# KiCad board microdrive_pcb.kicad_pcb
title: Sinclari QL Recreated; date: 2024-12-21; rev: 0; company: by Alvaro Alea in 2024; note: Bassed on Issue 6
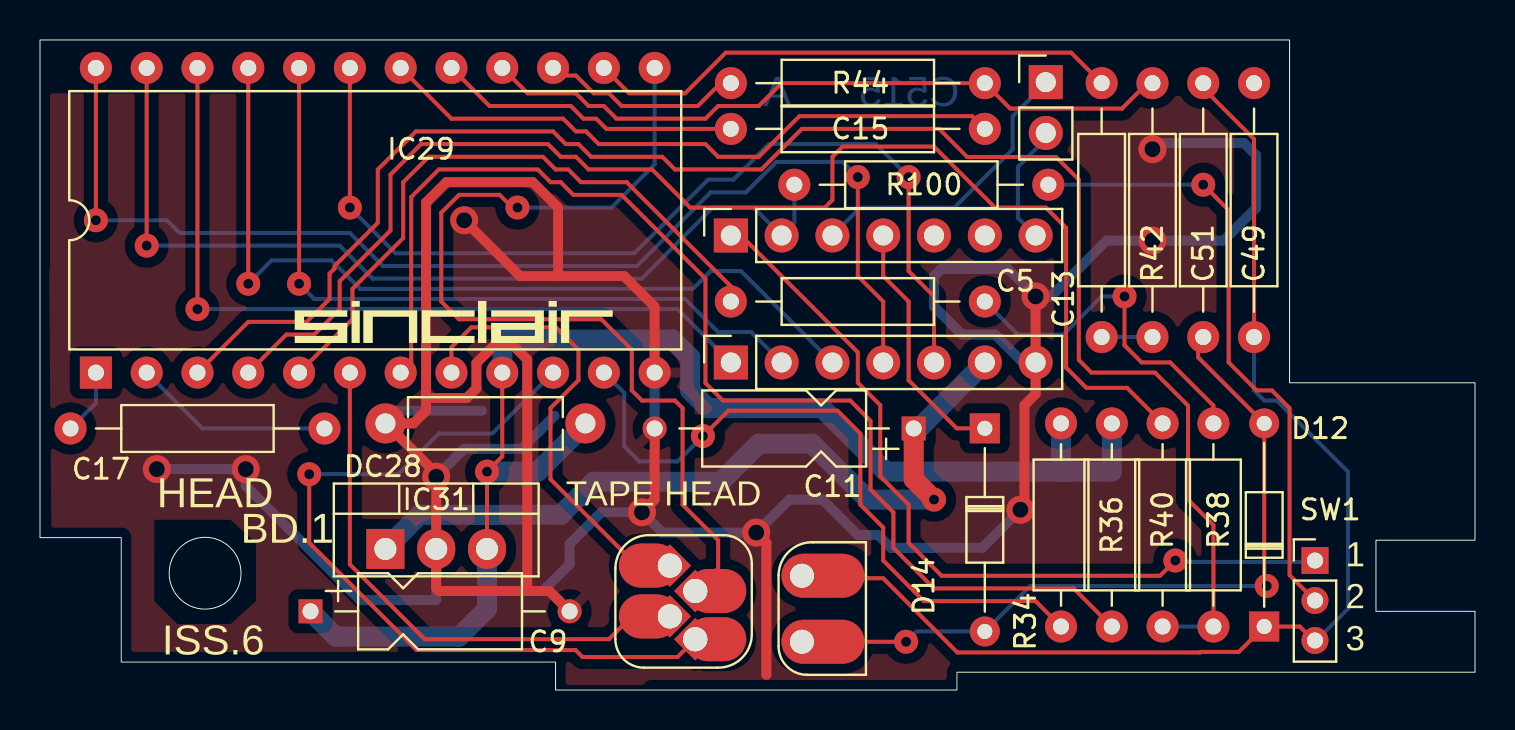
[diagram p0: board, top side]
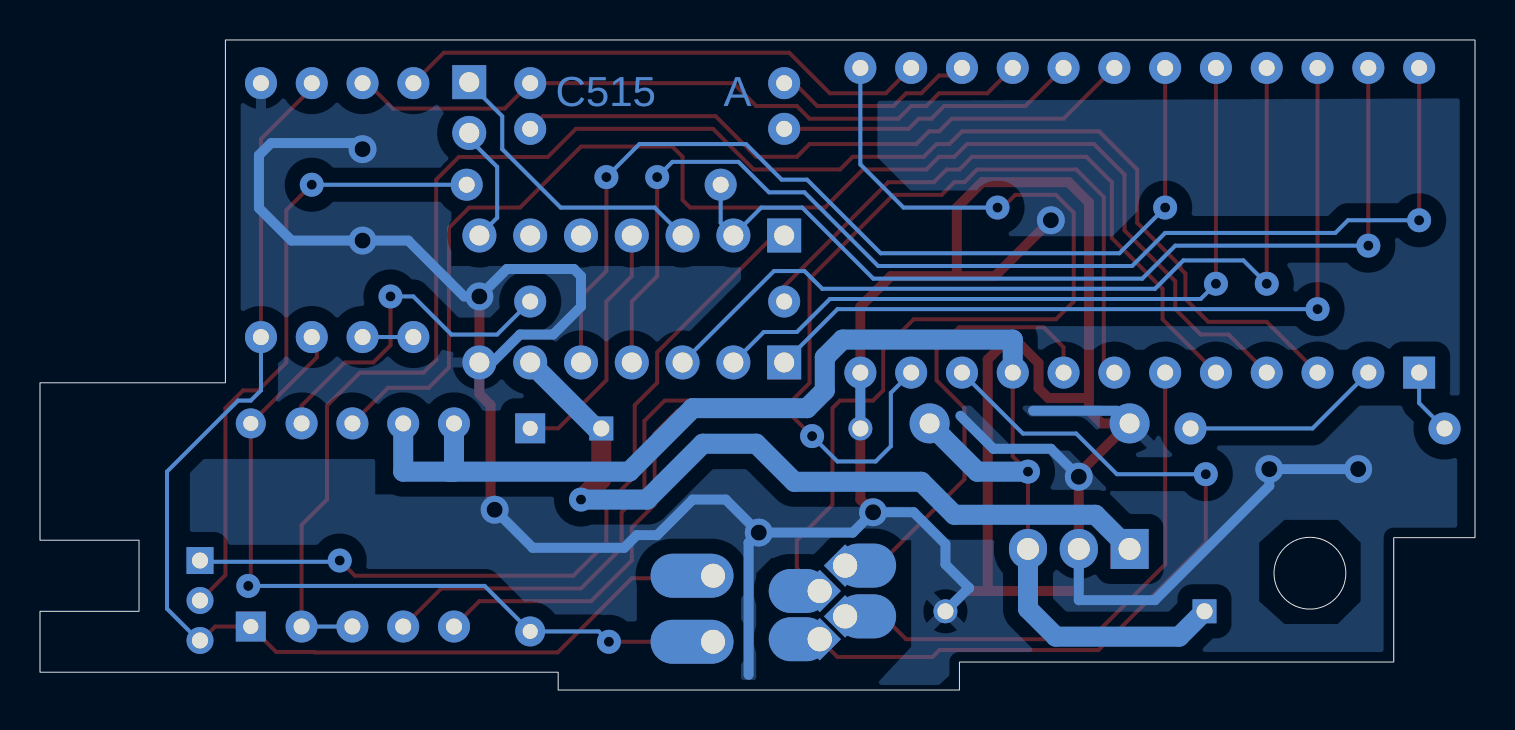
[diagram p1: board, bottom side, seen from below]

Outline 71.76 x 32.51 mm; copper layers: Top, Bottom. Coordinates in mm from the lower left corner of the outline.
Outline path: 0,32.51 62.48,32.51 62.48,15.37 71.76,15.37 71.76,7.49 66.8,7.49 66.8,3.94 71.76,3.94 71.76,0.89 45.85,0.89 45.85,0 25.78,0 25.78,1.4 4.06,1.4 4.06,7.62 0,7.62 closed ; circle c8.26,5.84 r1.8
Stack: Top 0.035mm / dielectric 1.51mm FR4 er 4.5 / Bottom 0.035mm

## Placement (name value [footprint] x y rotation side)
C5  330p  [C_Disc_D7.5mm_W2.5mm_P12.17mm_W]  47.24 19.43 180 top
C9  0,47u/35V  [CP_Axial_L9.0mm_D3.8mm_P12.95mm_Horizontal]  13.53 3.94 0 top
C11  0,22u/35V  [CP_Axial_L9.0mm_D3.8mm_P12.95mm_Horizontal]  43.69 13.08 180 top
C13  330p  [C_Disc_D7.5mm_W2.5mm_P12.17mm_W]  53.09 17.65 90 top
C15  220p  [C_Disc_D7.5mm_W2.5mm_P12.17mm_W]  34.54 28.07 0 top
C17  220p  [C_Disc_D7.5mm_W2.5mm_P12.17mm_W]  1.52 13.08 0 top
C49  47n  [C_Disc_D7.5mm_W2.5mm_P12.17mm_W]  60.71 17.65 90 top
C51  47n  [C_Disc_D7.5mm_W2.5mm_P12.17mm_W]  58.17 17.65 90 top
D12  1N4148  [D_DO-34_SOD68_P10.16mm_Horizontal]  61.21 3.18 90 top
D14  1N4148  [D_DO-34_SOD68_P10.16mm_Horizontal]  47.24 13.09 270 top
DC28  100n  [C_Disc_D7.5mm_W5.0mm_P10.00mm]  27.27 13.34 180 top
IC29  2G007  [DIP-24_W15.24mm]  2.79 15.88 90 top
IC31  LM7805_TO220  [TO-220-3_Vertical]  17.27 7.06 0 top
J101  Conn_01x07  [PinSocket_1x07_P2.54mm_Vertical]  34.54 22.73 90 top
J102  Conn_01x07  [PinSocket_1x07_P2.54mm_Vertical]  34.54 16.38 90 top
L2  L  [Magnetic-head-2-coil]  31.5 6.22 0 top
L6  L  [Magnetic-head-1-coil]  38.1 5.72 0 top
M2  Motor_DC  [PinHeader_1x02_P2.54mm_Vertical]  50.29 30.4 0 top
R34  330  [R_Axial_DIN0207_L6.3mm_D2.5mm_P10.16mm_Horizontal]  51.05 3.18 90 top
R36  330  [R_Axial_DIN0207_L6.3mm_D2.5mm_P10.16mm_Horizontal]  53.59 3.18 90 top
R38  4K7  [R_Axial_DIN0207_L6.3mm_D2.5mm_P10.16mm_Horizontal]  58.67 13.34 270 top
R40  4K7  [R_Axial_DIN0207_L6.3mm_D2.5mm_P10.16mm_Horizontal]  56.13 13.34 270 top
R42  4K7  [R_Axial_DIN0207_L6.3mm_D2.5mm_P12.7mm_Horizontal_W]  55.63 17.65 90 top
R44  4K7  [R_Axial_DIN0207_L6.3mm_D2.5mm_P12.7mm_Horizontal_W]  47.24 30.35 180 top
R100  2K2  [R_Axial_DIN0207_L6.3mm_D2.5mm_P12.7mm_Horizontal_W]  50.42 25.27 180 top
SW1  SW_SPDT  [PinHeader_1x03_P2.00mm_Vertical]  63.75 6.48 0 top

## Library data of the parts
C5 C13 C15 C17 C49 C51 = -: Description: Unpolarized capacitor; ki_fp_filters: C_*
C9 C11 = -: Description: Polarized capacitor; ki_fp_filters: CP_*
D12 D14 = -: Description: Diode; Sim.Device: D; Sim.Pins: 1=K 2=A; ki_fp_filters: TO-???* *_Diode_* *SingleDiode* D_*
DC28 = -: Description: Unpolarized capacitor
IC29 = -: Description: Sinclair custom Microdrive Chip (ULA) for Sinclair QL Computer; ki_fp_filters: Package_DIP:DIP-40_W15.24mm*
IC31 = -: Datasheet: https://www.onsemi.cn/PowerSolutions/document/MC7800-D.PDF; Description: Positive 1A 35V Linear Regulator, Fixed Output 5V, TO-220; ki_fp_filters: TO?220*
J101 J102 = -: Description: Generic connector, single row, 01x07, script generated (kicad-library-utils/schlib/autogen/connector/); ki_fp_filters: Connector*:*_1x??_*
L2 L6 = -: Description: Inductor; ki_fp_filters: Choke_* *Coil* Inductor_* L_*
M2 = -: Description: DC Motor; ki_fp_filters: PinHeader*P2.54mm* TerminalBlock*
R34 R36 R38 R40 R42 R44 R100 = -: Description: Resistor; ki_fp_filters: R_*
SW1 = -: Description: Switch, single pole double throw

## Footprints (pads in the part's own frame, mm; a bottom-side part is the same pattern mirrored in y, then rotated)
C_Disc_D7.5mm_W2.5mm_P12.17mm_W
  round 1.6 hole 0.8: 1(0,0)
  oval 1.6x1.6 hole 0.8: 2(12.7,0)
C_Disc_D7.5mm_W5.0mm_P10.00mm
  round 2 hole 1: 1(0,0) 2(10,0)
CP_Axial_L9.0mm_D3.8mm_P12.95mm_Horizontal
  rect 1.2x1.2 hole 0.8: 1(0,0)
  round 1.2 hole 0.8: 2(12.954,0)
D_DO-34_SOD68_P10.16mm_Horizontal
  rect 1.5x1.5 hole 0.75: 1(0,0)
  oval 1.5x1.5 hole 0.75: 2(10.16,0)
DIP-24_W15.24mm
  rect 1.6x1.6 hole 0.8: 1(0,0)
  oval 1.6x1.6 hole 0.8: 2(0,-2.54) 3(0,-5.08) 4(0,-7.62) 5(0,-10.16) 6(0,-12.7) 7(0,-15.24) 8(0,-17.78) 9(0,-20.32) 10(0,-22.86) 11(0,-25.4) 12(0,-27.94) 13(15.24,-27.94) 14(15.24,-25.4) 15(15.24,-22.86) 16(15.24,-20.32) 17(15.24,-17.78) 18(15.24,-15.24) 19(15.24,-12.7) 20(15.24,-10.16) 21(15.24,-7.62) 22(15.24,-5.08) 23(15.24,-2.54) 24(15.24,0)
Magnetic-head-1-coil
  rrect 4.15x2.2 hole 1.2: 1(0,0) 2(0,-3.302)
Magnetic-head-2-coil
  rect 1.5x1.5 hole 1.2 rot 45: 1(0,0) 2(1.27,-1.27) 3(0,-2.54) 4(1.27,-3.683)
  rrect 3x2.2 hole 1.2: 1(0,0) 2(1.27,-1.27) 3(0,-2.54) 4(1.27,-3.683)
PinHeader_1x02_P2.54mm_Vertical
  rect 1.7x1.7 hole 1: 1(0,0)
  oval 1.7x1.7 hole 1: 2(0,-2.54)
PinHeader_1x03_P2.00mm_Vertical
  rect 1.35x1.35 hole 0.8: 1(0,0)
  oval 1.35x1.35 hole 0.8: 2(0,-2) 3(0,-4)
PinSocket_1x07_P2.54mm_Vertical
  rect 1.7x1.7 hole 1: 1(0,0)
  oval 1.7x1.7 hole 1: 2(0,-2.54) 3(0,-5.08) 4(0,-7.62) 5(0,-10.16) 6(0,-12.7) 7(0,-15.24)
R_Axial_DIN0207_L6.3mm_D2.5mm_P10.16mm_Horizontal
  round 1.6 hole 0.8: 1(0,0)
  oval 1.6x1.6 hole 0.8: 2(10.16,0)
R_Axial_DIN0207_L6.3mm_D2.5mm_P12.7mm_Horizontal_W
  round 1.6 hole 0.8: 1(0,0)
  oval 1.6x1.6 hole 0.8: 2(12.7,0)
TO-220-3_Vertical
  rect 1.905x2 hole 1.1: 1(0,0)
  oval 1.905x2 hole 1.1: 2(2.54,0) 3(5.08,0)

## Nets
/+VIN1: C11.1 IC31.1 J102.6
GND1: C9.2 C11.2 C49.2 DC28.2 IC29.12 IC31.2 J102.7
Net-(C5-Pad1): C5.1 R38.1
Net-(C13-Pad1): C13.1 R42.1
Net-(D12-A): C51.1 D12.2 D14.2 L6.2
Net-(D12-K): C49.1 C51.2 D12.1 L6.1 SW1.3
Net-(D14-K): D14.1 J101.4
Net-(IC29-C1): C15.1 IC29.17
Net-(IC29-C2): C15.2 IC29.18
Net-(IC29-C3): C17.1 IC29.1
Net-(IC29-C4): C17.2 IC29.2
Net-(IC29-CLK): IC29.21 J102.3
Net-(IC29-COMMS_IN): IC29.22 J102.1
Net-(IC29-COMMS_OUT): IC29.20 J102.2
Net-(IC29-DATA_1): IC29.24 J102.4
Net-(IC29-DATA_2): IC29.19 J102.5
Net-(IC29-IN_A1): IC29.8 L2.1
Net-(IC29-IN_A2): IC29.13 L2.2
Net-(IC29-IN_B1): IC29.6 L2.3
Net-(IC29-IN_B2): IC29.10 L2.4
Net-(IC29-R1): IC29.11 R34.1
Net-(IC29-R2): IC29.7 R36.1
Net-(IC29-RC1): IC29.3 R38.2 R40.2
Net-(IC29-RC2): C5.2 IC29.5
Net-(IC29-RC3): IC29.4 R40.1
Net-(IC29-RC4): C13.2 IC29.14
Net-(IC29-RC5): IC29.16 R42.2 R44.1
Net-(IC29-RC6): IC29.15 R44.2
Net-(IC29-READ/WRITE): IC29.23 J101.2 R100.2
Net-(IC29-VCC): C9.1 DC28.1 IC29.9 IC31.3 R34.2 R36.2
Net-(J101-Pin_1): J101.1 SW1.1
Net-(J101-Pin_3): J101.3 M2.1
Net-(J101-Pin_7): J101.7 M2.2
Net-(SW1-A): R100.1 SW1.2

Pads without a net: J101 5 6

## Via types
v1: diameter 1.2, hole 0.5, Top to Bottom, 18 vias
v2: diameter 1.4, hole 0.8, Top to Bottom, 10 vias

## Routing (per net, layer and track width the routed paths; a pad name or vN(x,y) marks a point on that pad's centre or on a via; arc(x,y) is an arc through that point)
/+VIN1: length 39.7
  Top w1: C11.1 43.69,10.54 v1(44.7,9.53)
  Bottom w1: C11.1 43.94,13.08 J102.6 ; v1(44.7,9.53) 41.4,9.53 38.61,12.32 35.94,12.32 34.04,10.41 27.69,10.41 26.04,8.76 18.98,8.76 IC31.1
GND1: length 201.8
  Top w0.5: 25.91,20.7 24,20.7 v2(21.21,23.5) ; 25.91,20.7 29.21,20.7 30.73,19.18 IC29.12 ; 25.91,20.7 25.91,24.13 24.64,25.4 20.32,25.4 19.3,24.38 19.3,14.61 ; 17.31,13.34 19.81,10.83 v2(19.81,10.67) 19.81,5.08 ; 24.38,4.95 25.46,4.95 C9.2 ; 24.38,4.95 24.37,4.97 24.37,16.53 23.62,17.27 22.74,17.27 21.83,16.36 21.83,15.09 21.34,14.61 19.3,14.61 ; 24.38,4.95 19.94,4.95 ; v2(49.02,9.02) 49.23,9.22 49.23,14.25 49.78,14.81 J102.7 v2(49.78,19.69) ; DC28.2 18.67,13.34 19.3,13.97 19.3,14.61 ; 30.73,12.83 30.73,9.53 v2(30.1,8.89) ; v2(35.81,7.87) 36.32,7.37 36.32,0.76
  Bottom w0.5: v2(35.81,7.87) 31.12,7.87 v2(30.1,8.89) 28.07,8.89 26.48,7.3 26.48,6.29 25.3,5.11 25.31,5.11 C9.2 ; v2(35.81,7.87) 37.47,9.53 39.12,9.53 40.89,7.75 41.91,7.75 42.55,7.11 47.12,7.11 v2(49.02,9.02) ; v2(35.81,7.87) 36.32,7.37 36.32,0.76 ; v2(19.81,10.67) 21.21,12.06 24.08,12.06 25.73,13.72 ; 49.15,16.38 47.75,17.78 46.1,17.78 44.7,19.18 44.7,20.7 45.06,21.06 48.41,21.06 v2(49.78,19.69) 50.55,19.69 53.34,22.48 v2(55.63,22.48) 59.18,22.48 60.81,24.1 60.81,26.75 60.2,27.36 55.93,27.36 v2(55.63,27.05) ; 17.91,13.97 22.1,13.97 ; IC29.12 30.73,12.83 ; 19.81,7.06 19.81,4.5 16,4.5 10.29,10.21 v2(10.29,11.05) v2(5.84,11.05)
Net-(C5-Pad1): length 17.5
  Top w0.2: v1(54.23,19.69) 54.23,17.24 55.09,16.38 56.52,16.38 58.67,14.22 R38.1
  Bottom w0.2: C5.1 48.9,17.78 51.18,17.78 53.09,19.69 v1(54.23,19.69)
Net-(C13-Pad1): length 2.5
  Bottom w0.2: C13.1 R42.1
Net-(D12-A): length 36.6
  Top w0.2: v1(43.31,2.41) 39.75,2.41 ; 57.91,17.65 57.91,16.64 D12.2 61.21,5.33 v1(61.34,5.21)
  Bottom w0.2: v1(61.34,5.21) 49.52,5.21 D14.2 43.82,2.93 v1(43.31,2.41)
Net-(D12-K): length 58.6
  Top w0.2: C49.1 60.71,27.56 57.91,30.35 ; 39.62,5.59 42.16,5.59 45.87,1.88 58.01,1.88 58.04,1.91 59.94,1.91 D12.1 62.99,3.18 63.75,2.41
  Bottom w0.2: C49.1 60.71,14.99 61.21,14.48 61.85,14.48 65.41,10.92 65.41,4.06 63.75,2.41
Net-(D14-K): length 12.6
  Top w0.2: J101.4 42.16,20.7 43.43,19.43 43.43,15.49 45.84,13.09 D14.1
Net-(IC29-C1): length 15.2
  Top w0.2: IC29.17 22.48,29.21 26.54,29.21 27.18,28.58 27.81,28.58 28.32,28.07 C15.1
Net-(IC29-C2): length 32.2
  Top w0.2: IC29.18 20.57,28.58 26.16,28.58 26.8,27.94 27.31,27.94 27.94,27.31 33.27,27.31 33.91,26.67 35.94,26.67 37.97,28.7 46.61,28.7 C15.2
Net-(IC29-C3): length 3.3
  Bottom w0.2: C17.1 2.79,14.35 IC29.1
Net-(IC29-C4): length 10
  Bottom w0.2: IC29.2 8.13,13.08 C17.2
Net-(IC29-CLK): length 43.3
  Top w0.2: IC29.21 v1(10.41,20.32)
  Bottom w0.2: J102.3 35.05,20.96 33.53,20.96 32.64,20.07 16,20.07 14.58,21.49 11.58,21.49 v1(10.41,20.32)
Net-(IC29-COMMS_IN): length 39.8
  Top w0.2: IC29.22 v1(7.87,19.05)
  Bottom w0.2: v1(7.87,19.05) 31.88,19.05 J102.1
Net-(IC29-COMMS_OUT): length 36.6
  Top w0.2: IC29.20 v1(12.95,20.32)
  Bottom w0.2: v1(12.95,20.32) 13.72,19.56 32.26,19.56 33.91,17.91 35.56,17.91 37.08,16.38
Net-(IC29-DATA_1): length 58.9
  Top w0.2: J102.4 42.16,19.43 40.89,20.7 v1(40.89,25.65) ; IC29.24 v1(2.79,23.5)
  Bottom w0.2: v1(2.79,23.5) 6.35,23.5 6.99,22.86 15.49,22.86 17.15,21.21 29.85,21.21 33.53,24.89 35.31,24.89 36.83,26.42 40.13,26.42 v1(40.89,25.65)
Net-(IC29-DATA_2): length 48.6
  Top w0.2: IC29.19 v1(15.49,24.13) ; 44.7,16.38 44.7,19.69 43.43,20.96 v1(43.43,25.65)
  Bottom w0.2: v1(43.43,25.65) 41.78,27.31 36.45,27.31 34.67,25.53 33.4,25.53 29.72,21.84 17.78,21.84 v1(15.49,24.13)
Net-(IC29-IN_A1): length 21.8
  Top w0.2: IC29.8 20.57,17.15 21.57,18.14 25.8,18.14 26.92,17.02 26.92,15.49 25.53,14.1 25.53,10.54 29.97,6.1
Net-(IC29-IN_A2): length 47.3
  Top w0.2: L2.2 33.91,6.1 33.91,7.49 32.13,9.27 32.13,14.1 31.75,14.48 30.1,14.48 29.59,14.99 29.59,17.02 28.07,18.54 20.96,18.54 20.07,19.43 20.07,23.88 20.96,24.77 22.99,24.77 23.62,24.13 v1(23.88,24.13)
  Bottom w0.2: v1(23.88,24.13) 28.58,24.13 30.73,26.29 IC29.13
Net-(IC29-IN_B1): length 25.7
  Top w0.2: IC29.6 15.49,6.28 19.24,2.54 28.45,2.54 29.59,3.68
Net-(IC29-IN_B2): length 39.8
  Top w0.2: v1(13.46,10.8) 13.46,7.37 18.83,2 26.78,2 27.13,1.65 31.88,1.65 32.77,2.54
  Bottom w0.2: IC29.10 22.61,12.83 19.94,12.83 17.91,10.8 v1(13.46,10.8)
Net-(IC29-R1): length 34.8
  Top w0.2: R34.1 49.78,4.44 44.2,4.44 42.16,6.48 42.16,8.13 41.02,9.27 41.02,12.83 39.88,13.97 34.42,13.97 v1(33.15,12.7)
  Bottom w0.2: v1(33.15,12.7) 31.88,11.43 29.97,11.43 29.21,12.19 29.21,14.86 IC29.11
Net-(IC29-R2): length 60.2
  Top w0.2: IC29.7 18.56,16.4 18.56,24.66 19.94,26.03 24.89,26.03 25.53,25.4 26.04,25.4 26.67,24.77 29.08,24.77 33.27,20.57 33.27,15.35 34.15,14.48 40.51,14.48 41.53,13.46 41.53,10.03 42.67,8.89 42.67,7.11 44.7,5.08 51.69,5.08 R36.1
Net-(IC29-RC1): length 83.7
  Top w0.2: R38.2 58.67,8.25 57.4,9.53 57.4,14.22 55.75,15.88 52.58,15.88 51.94,16.51 51.94,25.53 50.81,26.66 46.37,26.66 44.96,28.07 38.1,28.07 36.07,26.03 31.75,26.03 31.12,26.67 27.56,26.67 26.92,27.31 26.29,27.31 25.65,27.94 18.8,27.94 16.89,26.03 16.89,23.37 14.73,21.21 14.73,21.08 14.48,20.83 14.48,19.56 13.34,18.41 10.41,18.41 IC29.3
  Bottom w0.2: R40.2 R38.2
Net-(IC29-RC2): length 32
  Top w0.2: IC29.5 15.62,18.54 15.62,20.07 18.16,22.61 18.16,25.4 19.43,26.67 25.15,26.67 25.78,26.03 26.42,26.03 27.05,25.4 29.34,25.4 34.54,20.19 C5.2
Net-(IC29-RC3): length 66.6
  Top w0.2: IC29.4 12.32,17.78 13.72,17.78 14.99,19.05 14.99,20.45 17.53,22.99 17.53,25.78 19.05,27.31 25.4,27.31 26.04,26.67 26.8,26.67 27.43,26.03 30.61,26.03 32.51,24.13 39.24,24.13 39.62,24.51 39.62,26.67 40.13,27.18 44.7,27.18 47.75,24.13 50.29,24.13 51.31,23.11 51.31,16.13 52.32,15.11 54.36,15.11 R40.1
Net-(IC29-RC4): length 26.9
  Top w0.2: C13.2 51.56,31.88 34.29,31.88 32.26,29.84 29.46,29.84 IC29.14
Net-(IC29-RC5): length 35.1
  Top w0.2: IC29.16 24.38,29.84 26.8,29.84 27.43,29.21 28.19,29.21 28.83,28.58 33.27,28.58 33.91,29.21 35.94,29.21 37.08,30.35 R44.1 48.51,29.08 54.1,29.08 55.37,30.35
Net-(IC29-RC6): length 9.1
  Top w0.2: 34.04,30.35 32.89,29.21 29.08,29.21 28.45,29.84 27.69,29.84 26.8,30.73 26.04,30.73
Net-(IC29-READ/WRITE): length 46.2
  Top w0.2: IC29.23 v1(5.33,22.22)
  Bottom w0.2: v1(5.33,22.22) 14.99,22.22 16.64,20.57 30.09,20.57 33.64,24.13 35.69,24.13 37.08,22.73 37.72,23.37 R100.2
Net-(IC29-VCC): length 68.9
  Top w0.2: IC31.3 v1(22.35,10.92) 23.11,11.68 IC29.9
  Bottom w1: v1(22.35,10.92) 24.89,10.92 27.31,13.34 ; R34.2 51.05,10.92 51.31,10.92 ; IC31.3 22.35,4.06 20.96,2.67 14.8,2.67 C9.1 ; 51.31,10.92 53.59,10.92 R36.2 ; 51.31,10.92 42.29,10.92 39.12,14.1 33.4,14.1 32.51,14.99 32.51,16.64 31.62,17.53 23.11,17.53 IC29.9
Net-(J101-Pin_1): length 40.2
  Top w0.2: v1(56.77,6.48) 56.01,5.72 45.09,5.72 43.43,7.37 43.43,9.27 42.02,10.69 42.02,14.25 40.89,15.37 40.89,16.89 35.05,22.73
  Bottom w0.2: v1(56.77,6.48) 56.83,6.41 63.75,6.41
Net-(J101-Pin_3): length 14.8
  Bottom w0.2: J101.3 41.02,24.13 45.72,24.13 48.64,27.05 48.64,28.7 50.29,30.35
Net-(J101-Pin_7): length 5.8
  Bottom w0.2: 50.29,27.56 48.9,26.16 48.9,23.62 J101.7
Net-(SW1-A): length 31.4
  Top w0.2: SW1.2 62.48,5.75 62.48,14.1 61.6,14.99 60.83,14.99 59.44,16.38 59.44,24 v1(58.17,25.27)
  Bottom w0.2: 50.29,25.27 v1(58.17,25.27)

## Copper pours and planes (outline as drawn; the poured copper is in the pictures)
GND1 on Top: 0.38,29.84 59.69,29.72 59.69,0.25 0.64,0.25
GND1 on Bottom: 0.76,29.59 32.13,29.46 32.13,31.24 33.27,31.24 33.27,18.29 21.97,18.29 21.97,17.02 1.4,17.02 1.4,14.73 0.76,14.73
GND1 on Bottom: 61.72,31.37 61.72,13.97 36.7,13.97 36.7,21.21 51.18,21.21 51.18,31.37
GND1 on Bottom: 54.99,11.56 64.26,11.56 64.26,3.43 41.91,3.43 41.91,5.84 40.26,7.37 37.47,7.37 36.7,6.6 36.7,0.25 35.94,0.25 35.94,5.84 35.18,6.6 33.15,6.6 32.39,7.49 28.19,7.49 28.19,2.16 29.97,0.25 26.8,0.25 25.27,1.65 4.57,1.52 4.57,7.37 4.06,7.87 0.89,7.87 0.89,14.22 25.65,14.22 25.65,11.05 40.26,11.05 40.26,9.78 54.99,9.78

## Text on the board
Bottom: C515      A
F.Silkscreen: TAPE HEAD | 1 / 2 / 3 | HEAD | ISS.6 | BD.1
